# Altium PCB BLDC_DRIVER_backup.PcbDoc
Units mil, origin at the board's own origin, x right, y up, seen from the top; angles counter-clockwise.
Board outline 6000 x 4000 mil, 6 copper layers (Top Layer, Internal Plane 1, Signal Layer 1, Signal Layer 2, Internal Plane 2, Bottom Layer), stack 51.168 mil thick; 189 components, 186 nets, 846 pads, 15 vias.
Unrouted connection lines stored in the file: 415.
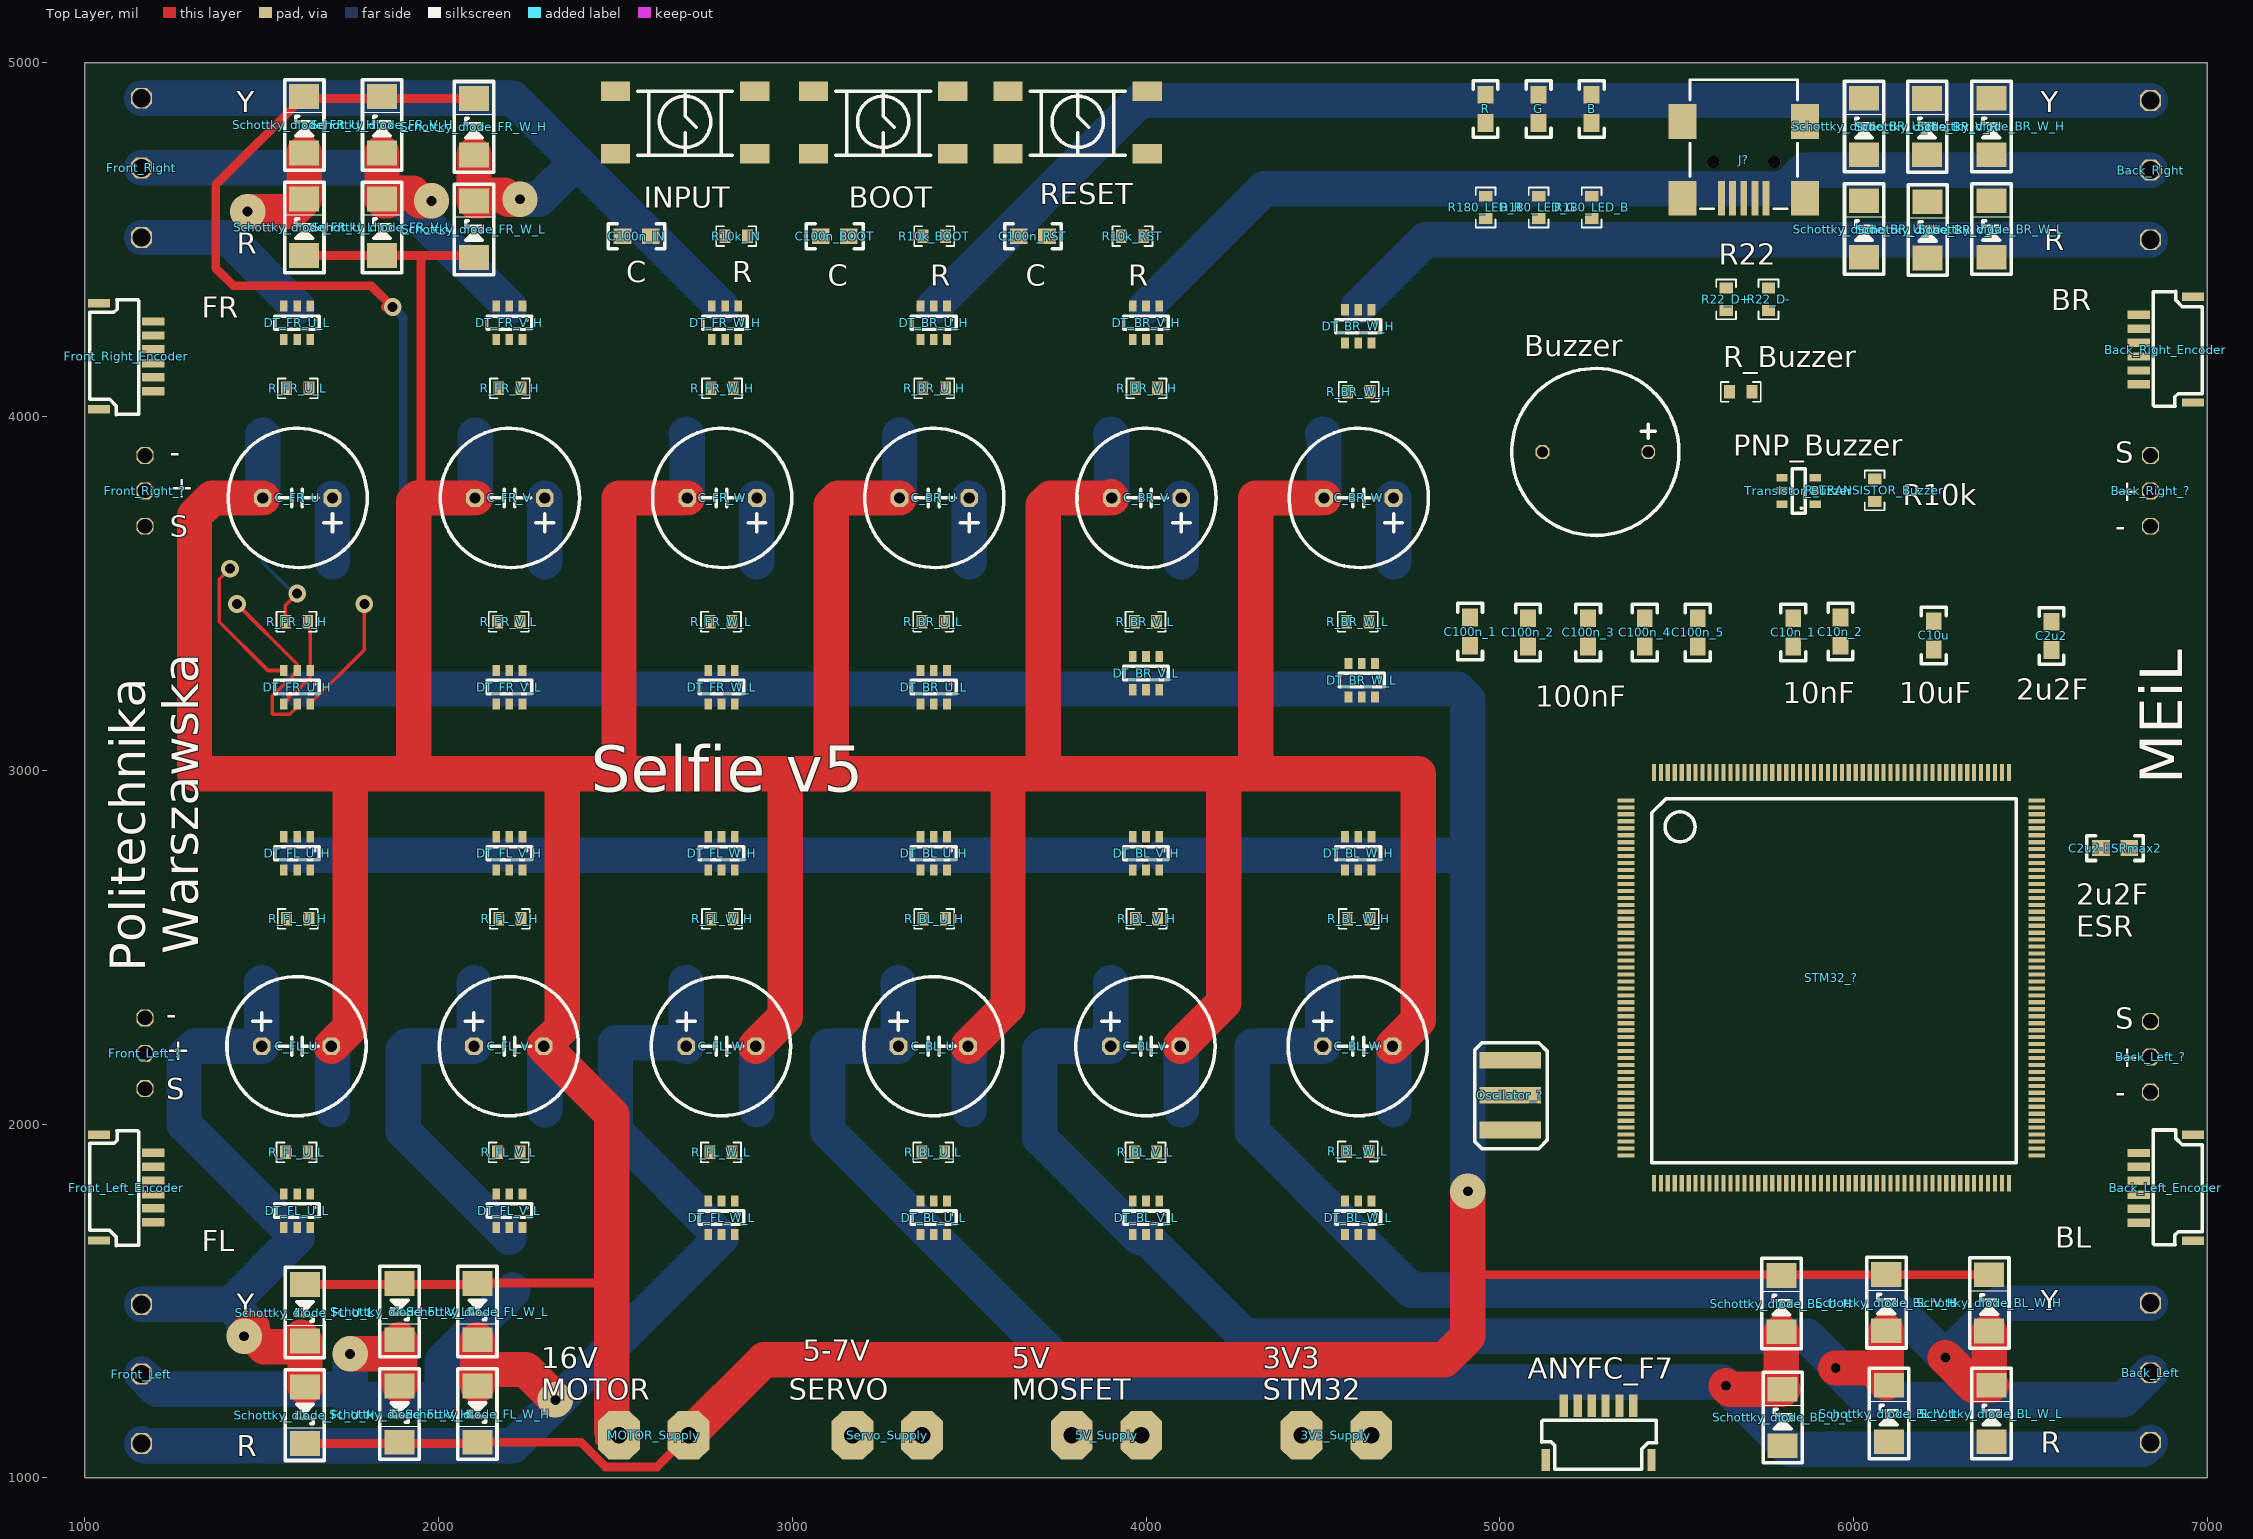
[diagram p0: Top Layer view]
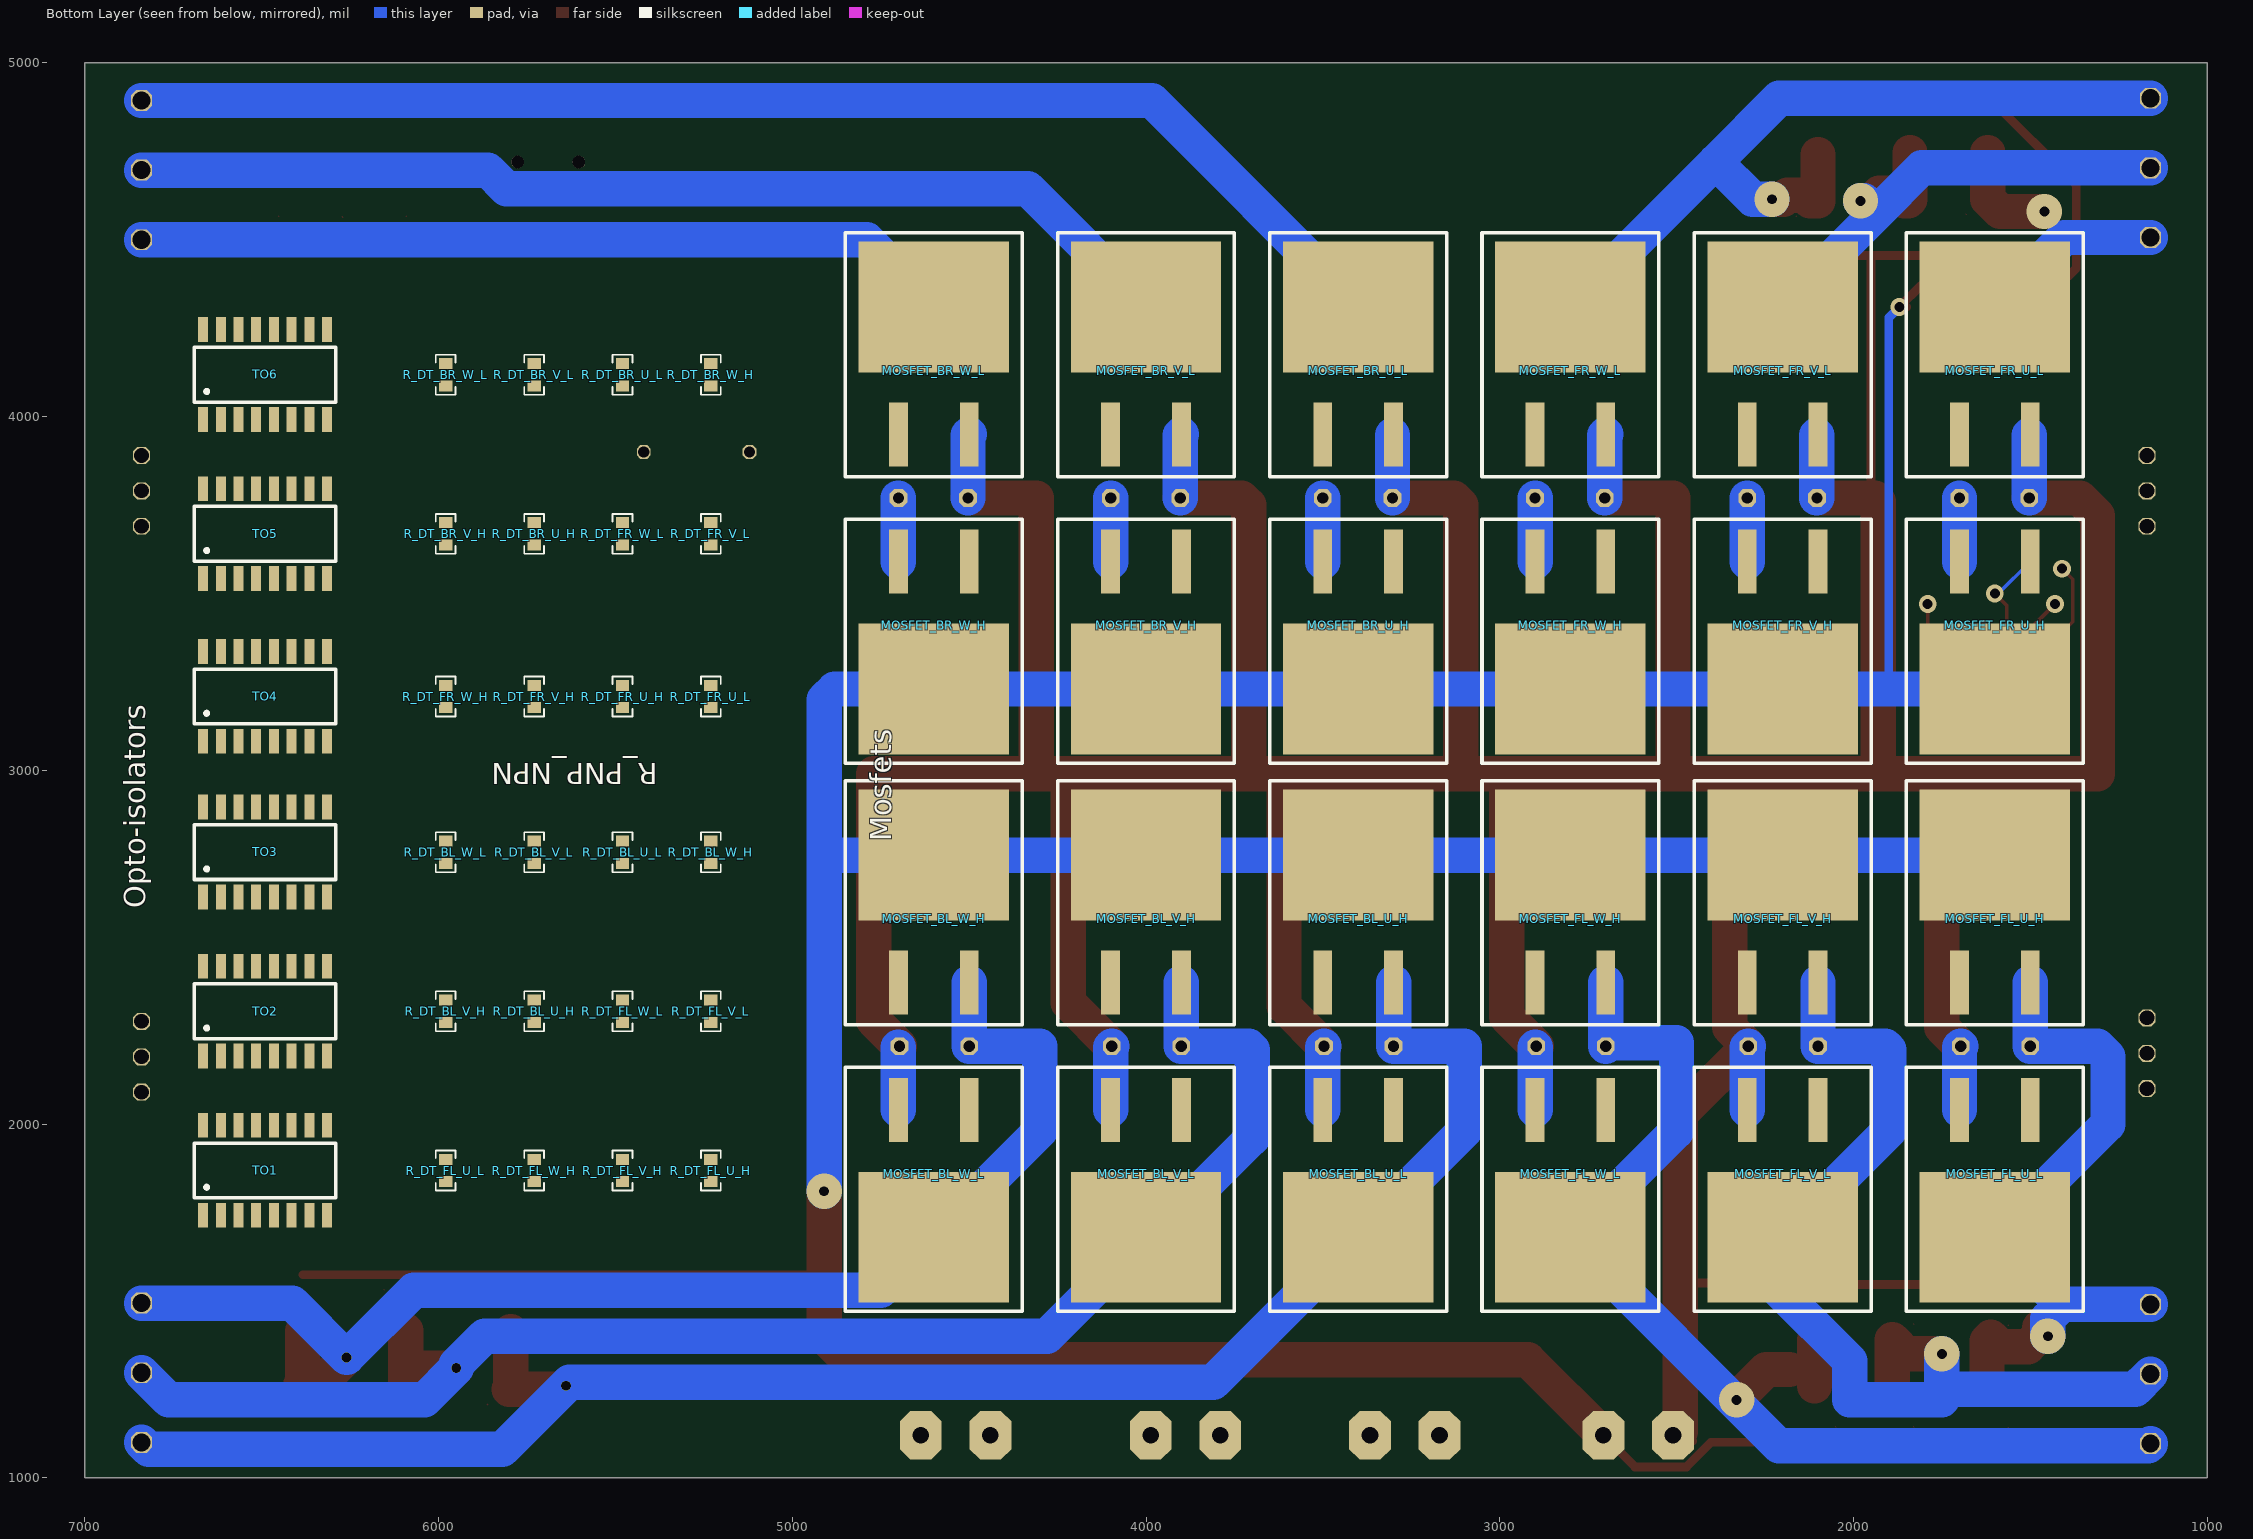
[diagram p1: Bottom Layer view, seen from below]
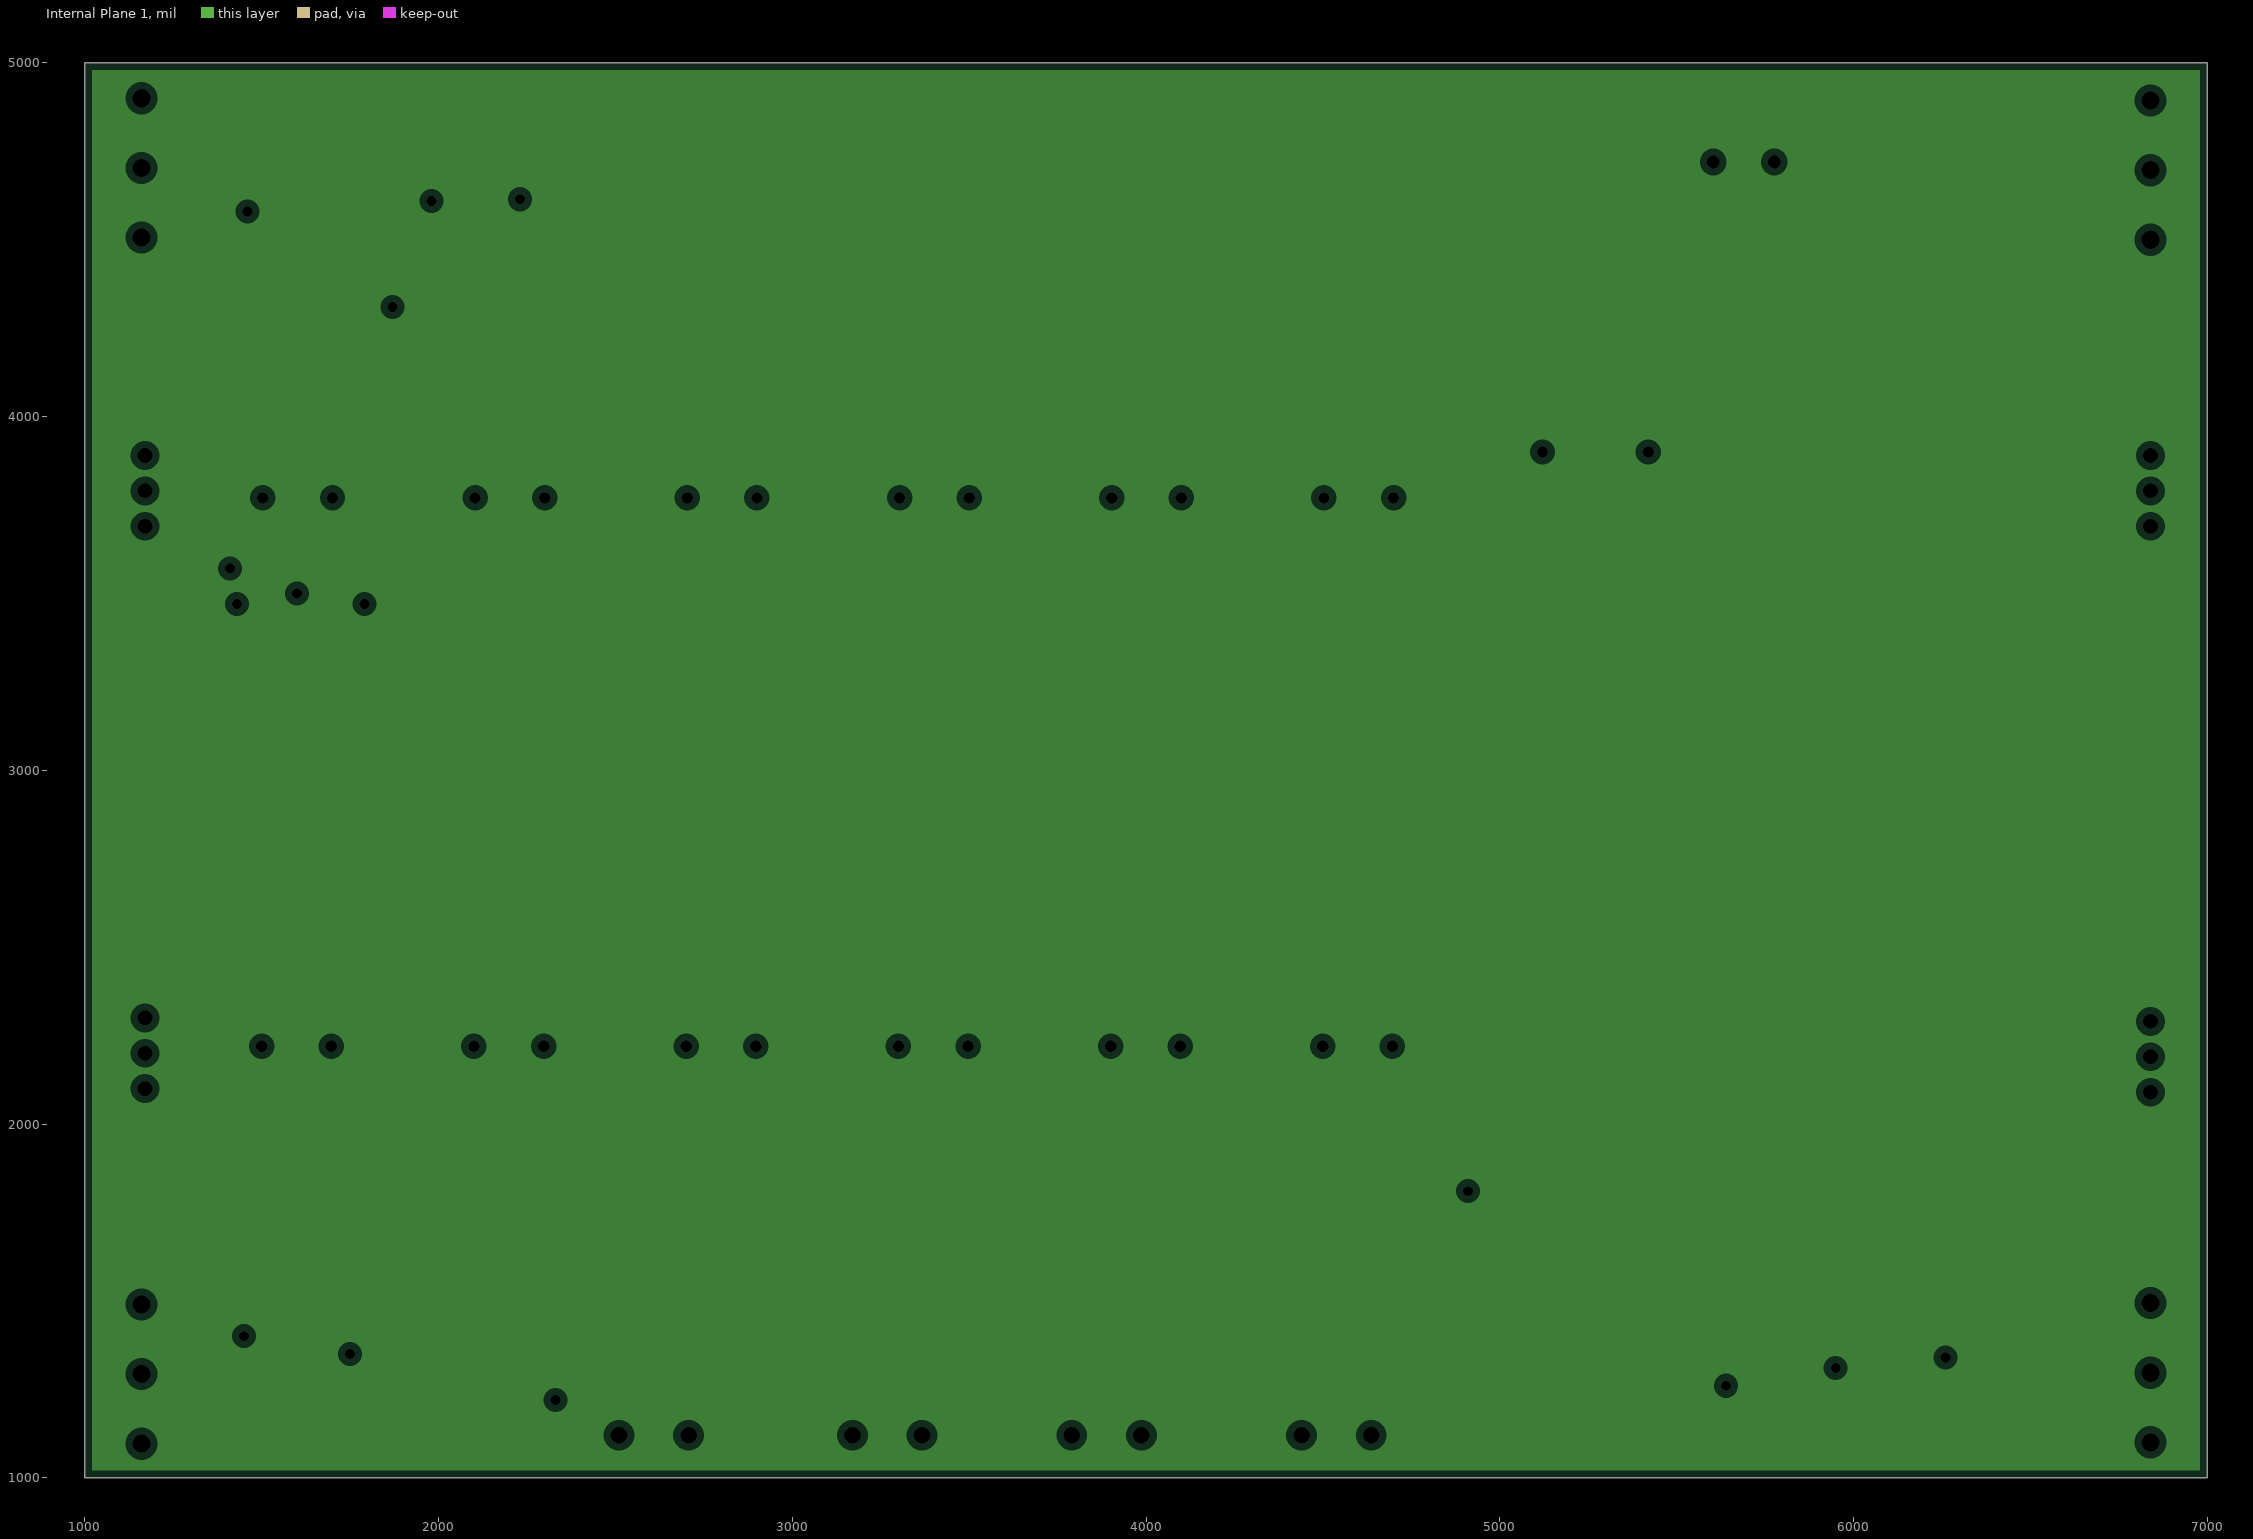
[diagram p2: Internal Plane 1, clearances drawn from the general rule]
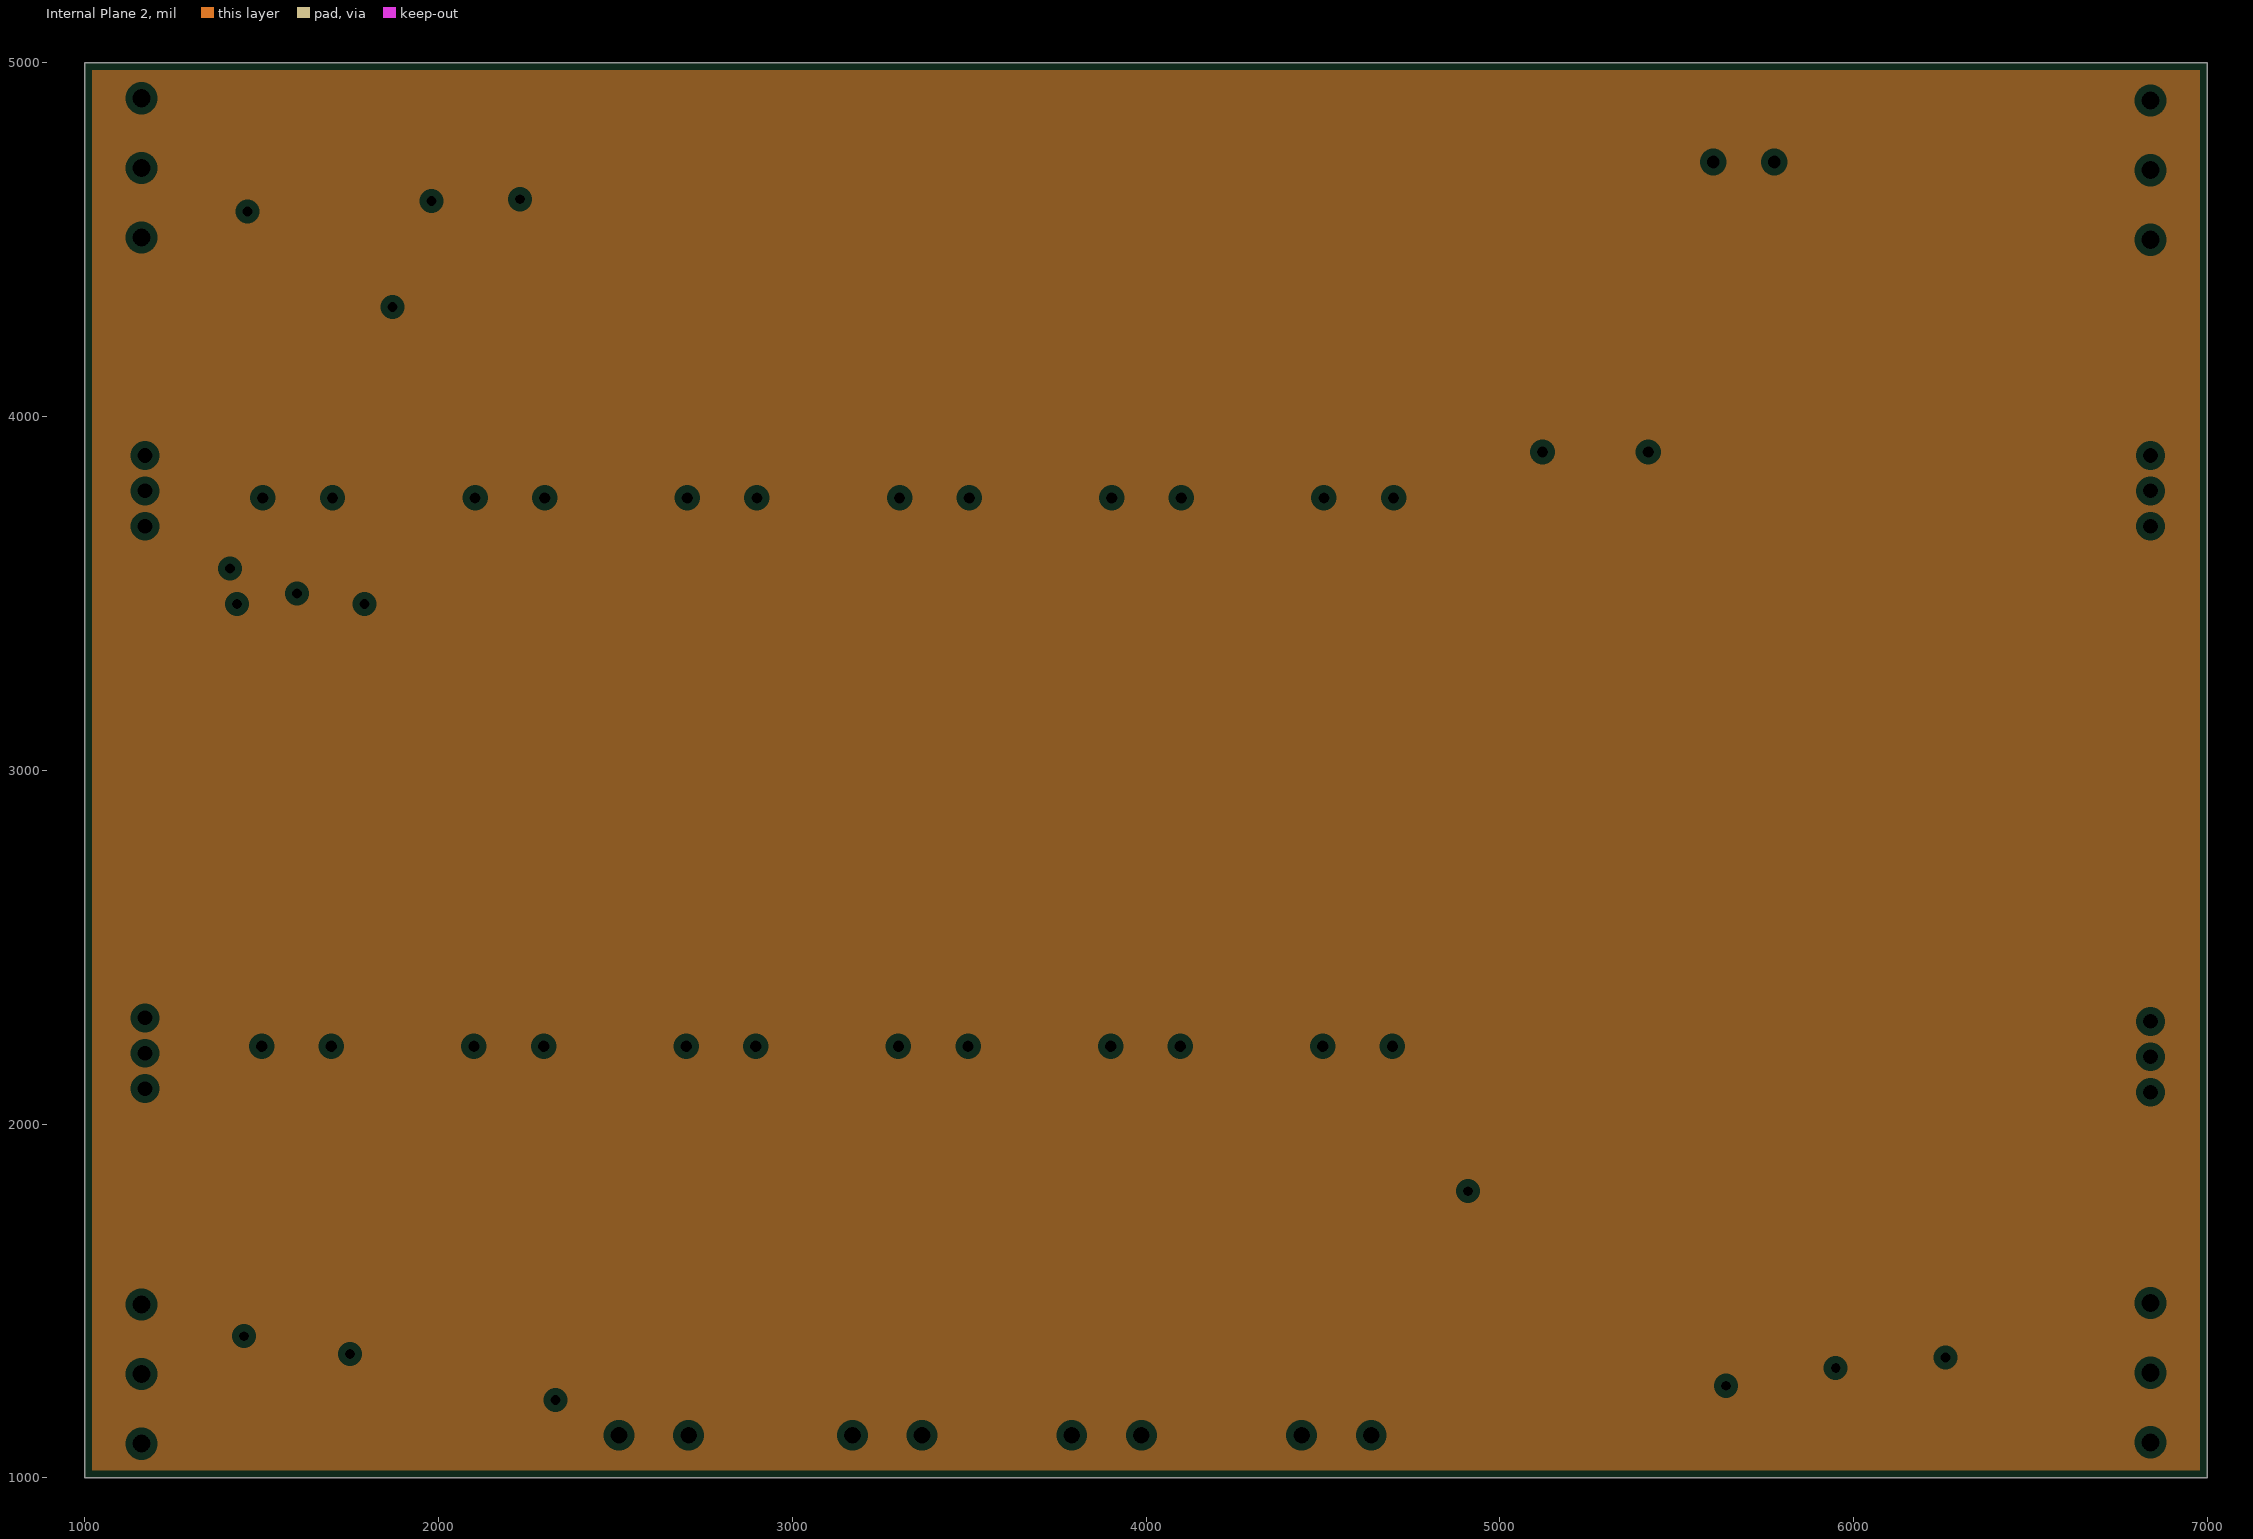
[diagram p3: Internal Plane 2, clearances drawn from the general rule]

## Layer stack, top to bottom
Top Solder: solder mask 0.4, Solder Resist, Dk 3.5
Top Layer: signal copper 4.1
Dielectric 1: core 10, FR-4, Dk 4.2
Internal Plane 1: plane copper 1.417
Dielectric 3: prepreg 5, Dk 4.2
Signal Layer 1: signal copper 1.417
Dielectric 2: core 10, Dk 4.2
Signal Layer 2: signal copper 1.417
Dielectric 5: prepreg 5, Dk 4.2
Internal Plane 2: plane copper 1.417
Dielectric 4: core 10, Dk 4.2
Bottom Layer: signal copper 1.4
Bottom Solder: solder mask 0.4, Solder Resist, Dk 3.5

## Board outline
1000,1000 7000,1000 7000,5000 1000,5000

## Design rules (kind name [scope] priority, off if disabled: settings)
Clearance [All] p1: gap=8
PlaneClearance [All] p1: clearance=20
PlaneConnect [All] p1: planeconnectstyle=Relief reliefexpansion=20 reliefentries=4 reliefconductorwidth=10 reliefairgap=10
PolygonConnect [All] p1: connectstyle=Relief reliefconductorwidth=10 reliefentries=4 polygonreliefangle="90 Angle" airgapwidth=10
RoutingVias [All] p1: holewidth=28 width=50 viastyle="Through Hole" minholewidth=28 minwidth=50 maxholewidth=28 maxwidth=50
SolderMaskExpansion [All] p1: expansion=4
Width [All] p1: maxlimit=100 minlimit=10 preferedwidth=30 toplayer_prefwidth=10 midlayer1_maxwidth=50 midlayer2_maxwidth=50 bottomlayer_prefwidth=20 minimp=50.000000 maximp=50.000000 favimp=50.000000
28 further rules are at their usual default settings.

## Components (designator, comment, footprint, x,y, rotation, side; value= is the part's Value field where it differs from the comment)
3V3_Supply "2-pin" 2-pin-zielony-kat 4440,1120 r0 top
5V_Supply "2-pin" 2-pin-zielony-kat 3790,1120 r0 top
ANYFC_F7 "SPI" "JST SR SH 1.0" 5130,1050 r0 top
B "LED" 0603 5260,4830 r90 top
Back_Left "3_phase_engine_con" DG300-5.0-03P-12-00A 6840,1100 r90 top
Back_Left_? "Servo_con" Raster_2.54_corner_3pin 6840,2090 r90 top
Back_Left_Encoder "SPI" "JST SR SH 1.0" 6960,1670 r90 top
Back_Right "3_phase_engine_con" DG300-5.0-03P-12-00A 6840,4500 r90 top
Back_Right_? "Servo_con" Raster_2.54_corner_3pin 6840,3690 r90 top
Back_Right_Encoder "SPI" "JST SR SH 1.0" 6960,4040 r90 top
BOOT "Tact_Switch" "LSH Gullwing" 3060,4920 r180 top
Buzzer "LD-BZEG-1205/3" Buzzer_LOUDITY 5420,3900 r0 top
C2u2 "Cap" 0603 6560,3340 r90 top
C2u2-ESRmax2 "Cap" 0603 6700,2780 r0 top
C10n_1 "Cap" 0603 5830,3350 r90 top
C10n_2 "Cap" 0603 5963.51,3352.05 r90 top
C10u "Cap" 0603 6227.22,3341.42 r90 top
C100n_1 "Cap" 0603 4916.35,3352.05 r90 top
C100n_2 "Cap" 0603 5080,3350 r90 top
C100n_3 "Cap" 0603 5250,3350 r90 top
C100n_4 "Cap" 0603 5410,3350 r90 top
C100n_5 "Cap" 0603 5560,3350 r90 top
C100n_BOOT "Cap" 0603 3160,4510 r180 top
C100n_IN "Cap" 0603 2600,4510 r180 top
C100n_RST "Cap" 0603 3720,4510 r180 top
C_BL_U "Cap_pol" 5mm 3300,2220 r0 top
C_BL_V "Cap_pol" 5mm 3900,2220 r0 top
C_BL_W "Cap_pol" 5mm 4500,2220 r0 top
C_BR_U "Cap_pol" 5mm 3500,3770 r180 top
C_BR_V "Cap_pol" 5mm 4100,3770 r180 top
C_BR_W "Cap_pol" 5mm 4700,3770 r180 top
C_FL_U "Cap_pol" 5mm 1500,2220 r0 top
C_FL_V "Cap_pol" 5mm 2100,2220 r0 top
C_FL_W "Cap_pol" 5mm 2700,2220 r0 top
C_FR_U "Cap_pol" 5mm 1700,3770 r180 top
C_FR_V "Cap_pol" 5mm 2300,3770 r180 top
C_FR_W "Cap_pol" 5mm 2900,3770 r180 top
DT_BL_U_H "Dual_transistors" SOT457 3400,2700 r180 top
DT_BL_U_L "Dual_transistors" SOT457 3400,1670 r180 top
DT_BL_V_H "Dual_transistors" SOT457 4000,2700 r180 top
DT_BL_V_L "Dual_transistors" SOT457 4000,1670 r180 top
DT_BL_W_H "Dual_transistors" SOT457 4600,2700 r180 top
DT_BL_W_L "Dual_transistors" SOT457 4600,1670 r180 top
DT_BR_U_H "Dual_transistors" SOT457 3400,4200 r180 top
DT_BR_U_L "Dual_transistors" SOT457 3400,3170 r180 top
DT_BR_V_H "Dual_transistors" SOT457 4000,4200 r180 top
DT_BR_V_L "Dual_transistors" SOT457 4000,3210 r180 top
DT_BR_W_H "Dual_transistors" SOT457 4600,4190 r180 top
DT_BR_W_L "Dual_transistors" SOT457 4610,3190 r180 top
DT_FL_U_H "Dual_transistors" SOT457 1600,2700 r180 top
DT_FL_U_L "Dual_transistors" SOT457 1600,1690 r180 top
DT_FL_V_H "Dual_transistors" SOT457 2200,2700 r180 top
DT_FL_V_L "Dual_transistors" SOT457 2200,1690 r180 top
DT_FL_W_H "Dual_transistors" SOT457 2800,2700 r180 top
DT_FL_W_L "Dual_transistors" SOT457 2800,1670 r180 top
DT_FR_U_H "Dual_transistors" SOT457 1600,3170 r180 top
DT_FR_U_L "Dual_transistors" SOT457 1600,4200 r180 top
DT_FR_V_H "Dual_transistors" SOT457 2200,4200 r180 top
DT_FR_V_L "Dual_transistors" SOT457 2200,3170 r180 top
DT_FR_W_H "Dual_transistors" SOT457 2810,4200 r180 top
DT_FR_W_L "Dual_transistors" SOT457 2800,3170 r180 top
Front_Left "3_phase_engine_con" DG300-5.0-03P-12-00A 1160,1490 r270 top
Front_Left_? "Servo_con" Raster_2.54_corner_3pin 1170,2300 r270 top
Front_Left_Encoder "SPI" "JST SR SH 1.0" 1040,1970 r270 top
Front_Right "3_phase_engine_con" DG300-5.0-03P-12-00A 1160,4900 r270 top
Front_Right_? "Servo_con" Raster_2.54_corner_3pin 1170,3890 r270 top
Front_Right_Encoder "SPI" "JST SR SH 1.0" 1040,4320 r270 top
G "LED" 0603 5110,4830 r90 top
INPUT "Tact_Switch" "LSH Gullwing" 2500,4920 r180 top
J? "65100516121" 65100516121 5690,4770 r180 top
MOSFET_BL_U_H "IFR1018EPbF" TO-263 3300,2400 r180 bottom
MOSFET_BL_U_L "IFR1018EPbF" TO-263 3500,2040 r0 bottom
MOSFET_BL_V_H "IFR1018EPbF" TO-263 3900,2400 r180 bottom
MOSFET_BL_V_L "IFR1018EPbF" TO-263 4100,2040 r0 bottom
MOSFET_BL_W_H "IFR1018EPbF" TO-263 4500,2400 r180 bottom
MOSFET_BL_W_L "IFR1018EPbF" TO-263 4700,2040 r0 bottom
MOSFET_BR_U_H "IFR1018EPbF" TO-263 3500,3590 r0 bottom
MOSFET_BR_U_L "IFR1018EPbF" TO-263 3300,3950 r180 bottom
MOSFET_BR_V_H "IFR1018EPbF" TO-263 4100,3590 r0 bottom
MOSFET_BR_V_L "IFR1018EPbF" TO-263 3900,3950 r180 bottom
MOSFET_BR_W_H "IFR1018EPbF" TO-263 4700,3590 r0 bottom
MOSFET_BR_W_L "IFR1018EPbF" TO-263 4500,3950 r180 bottom
MOSFET_FL_U_H "IFR1018EPbF" TO-263 1500,2400 r180 bottom
MOSFET_FL_U_L "IFR1018EPbF" TO-263 1700,2040 r0 bottom
MOSFET_FL_V_H "IFR1018EPbF" TO-263 2100,2400 r180 bottom
MOSFET_FL_V_L "IFR1018EPbF" TO-263 2300,2040 r0 bottom
MOSFET_FL_W_H "IFR1018EPbF" TO-263 2700,2400 r180 bottom
MOSFET_FL_W_L "IFR1018EPbF" TO-263 2900,2040 r0 bottom
MOSFET_FR_U_H "IFR1018EPbF" TO-263 1700,3590 r0 bottom
MOSFET_FR_U_L "IFR1018EPbF" TO-263 1500,3950 r180 bottom
MOSFET_FR_V_H "IFR1018EPbF" TO-263 2300,3590 r0 bottom
MOSFET_FR_V_L "IFR1018EPbF" TO-263 2100,3950 r180 bottom
MOSFET_FR_W_H "IFR1018EPbF" TO-263 2900,3590 r0 bottom
MOSFET_FR_W_L "IFR1018EPbF" TO-263 2700,3950 r180 bottom
MOTOR_Supply "2-pin" 2-pin-zielony-kat 2510,1120 r0 top
Oscilator_? "CSTCC8M00G53-R0" CSTCC8M00G53-R0 5030,2180 r270 top
R "LED" 0603 4960,4830 r90 top
R10k_BOOT "Res" R0603 3370,4510 r0 top
R10k_IN "Res" R0603 2810,4510 r0 top
R10k_RST "Res" R0603 3930,4510 r0 top
R22_D+ "Res" R0603 5640,4300 r90 top
R22_D- "Res" R0603 5760,4300 r90 top
R180_LED_B "Res" R0603 5260,4560 r90 top
R180_LED_G "Res" R0603 5110,4560 r90 top
R180_LED_R "Res" R0603 4960,4560 r90 top
R_BL_U_H "Res" R0603 3370,2580 r0 top
R_BL_U_L "Res" R0603 3430,1920 r180 top
R_BL_V_H "Res" R0603 3970,2580 r0 top
R_BL_V_L "Res" R0603 4030,1920 r180 top
R_BL_W_H "Res" R0603 4570,2580 r0 top
R_BL_W_L "Res" R0603 4630,1922.28 r180 top
R_BR_U_H "Res" R0603 3370,4080 r0 top
R_BR_U_L "Res" R0603 3430,3420 r180 top
R_BR_V_H "Res" R0603 3970,4080 r0 top
R_BR_V_L "Res" R0603 4030,3420 r180 top
R_BR_W_H "Res" R0603 4570,4070 r0 top
R_BR_W_L "Res" R0603 4630,3420 r180 top
R_Buzzer "Res" R0603 5650,4070 r0 top
R_DT_BL_U_H "Res" R0603 5730,2350 r270 bottom